# Altium PCB MainBoard V1.PcbDoc
Units mil, origin at the board's own origin, x right, y up, seen from the top; angles counter-clockwise.
Board outline 3897.64 x 4688.47 mil, 4 copper layers (Top Layer, 5V, GND, Bottom Layer), stack 62.449 mil thick; 35 components, 58 nets, 460 pads, 144 vias.
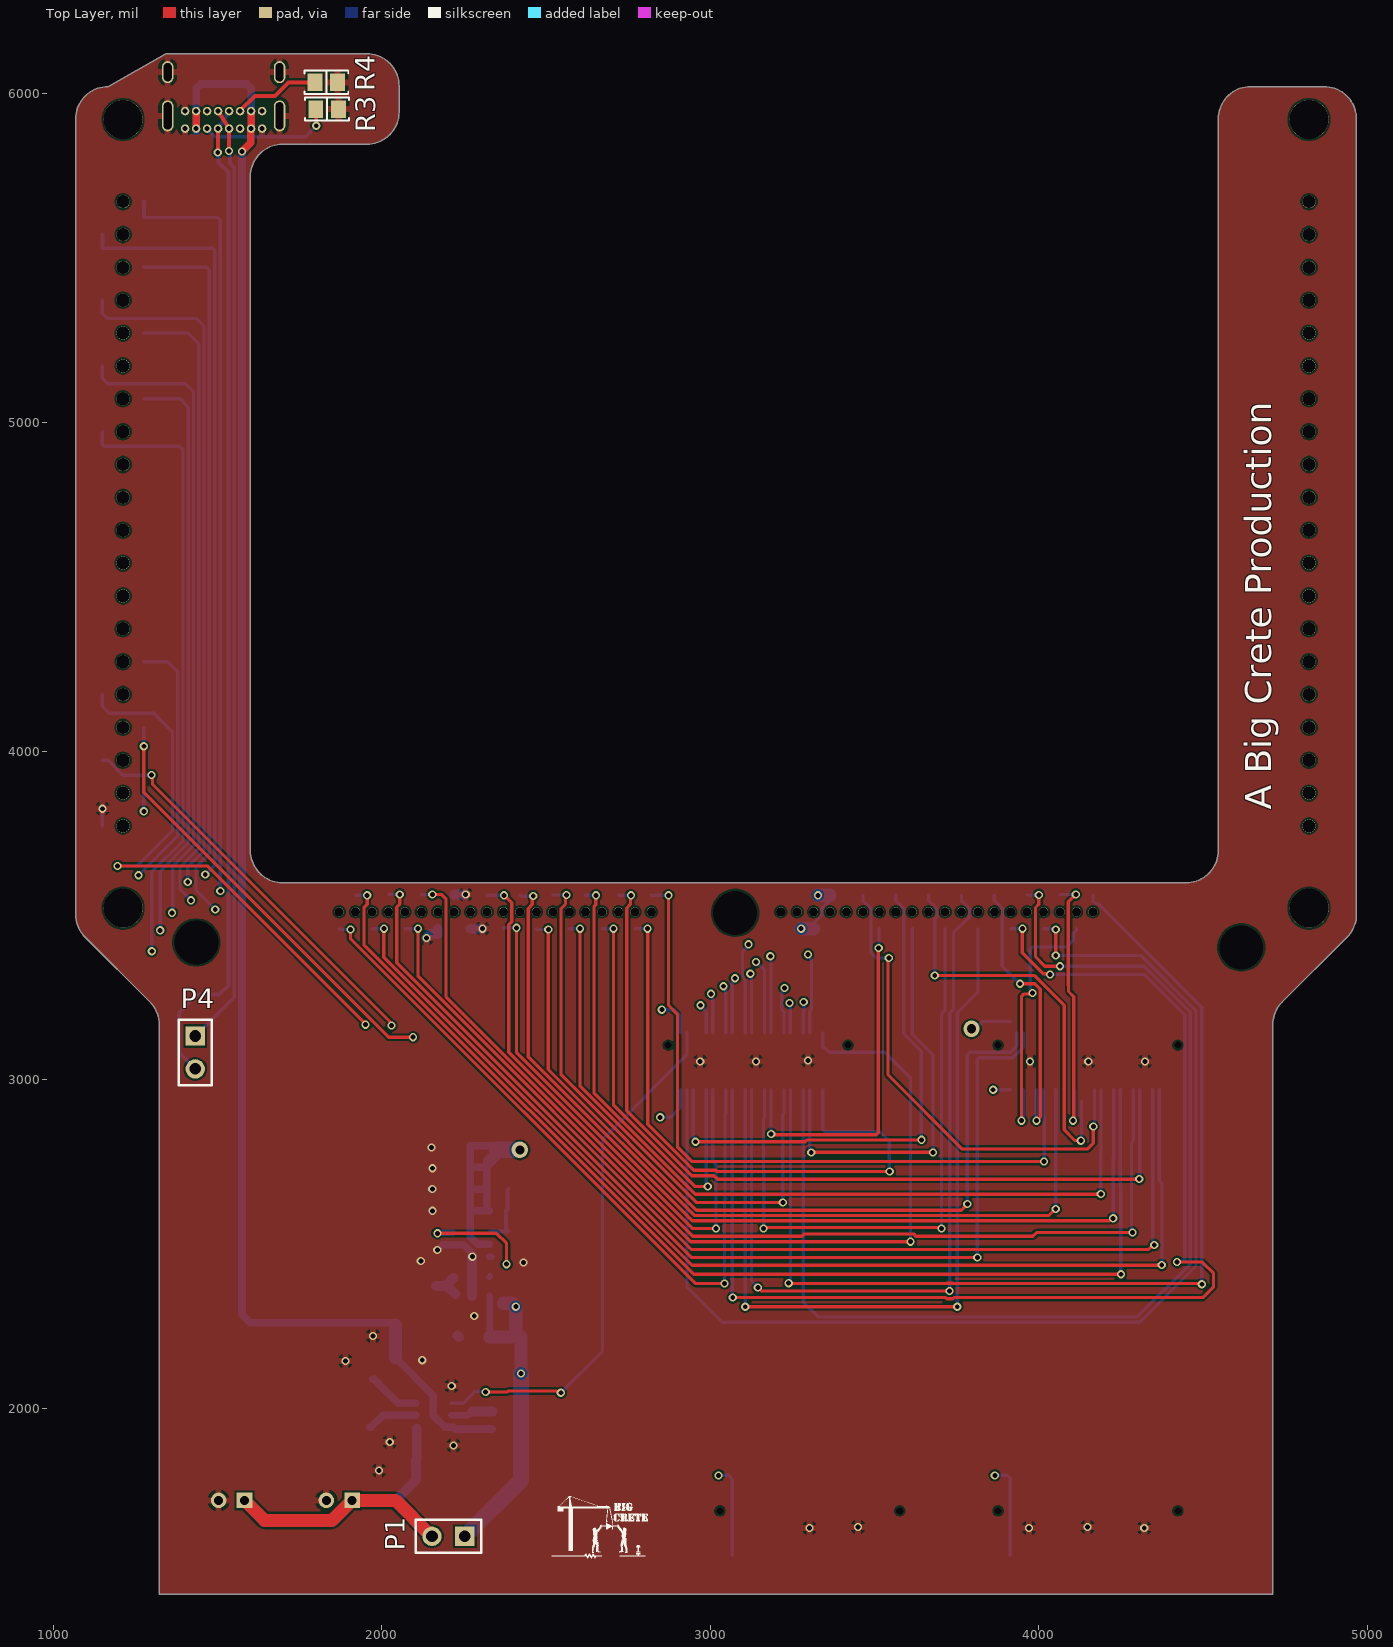
[diagram p0: Top Layer view]
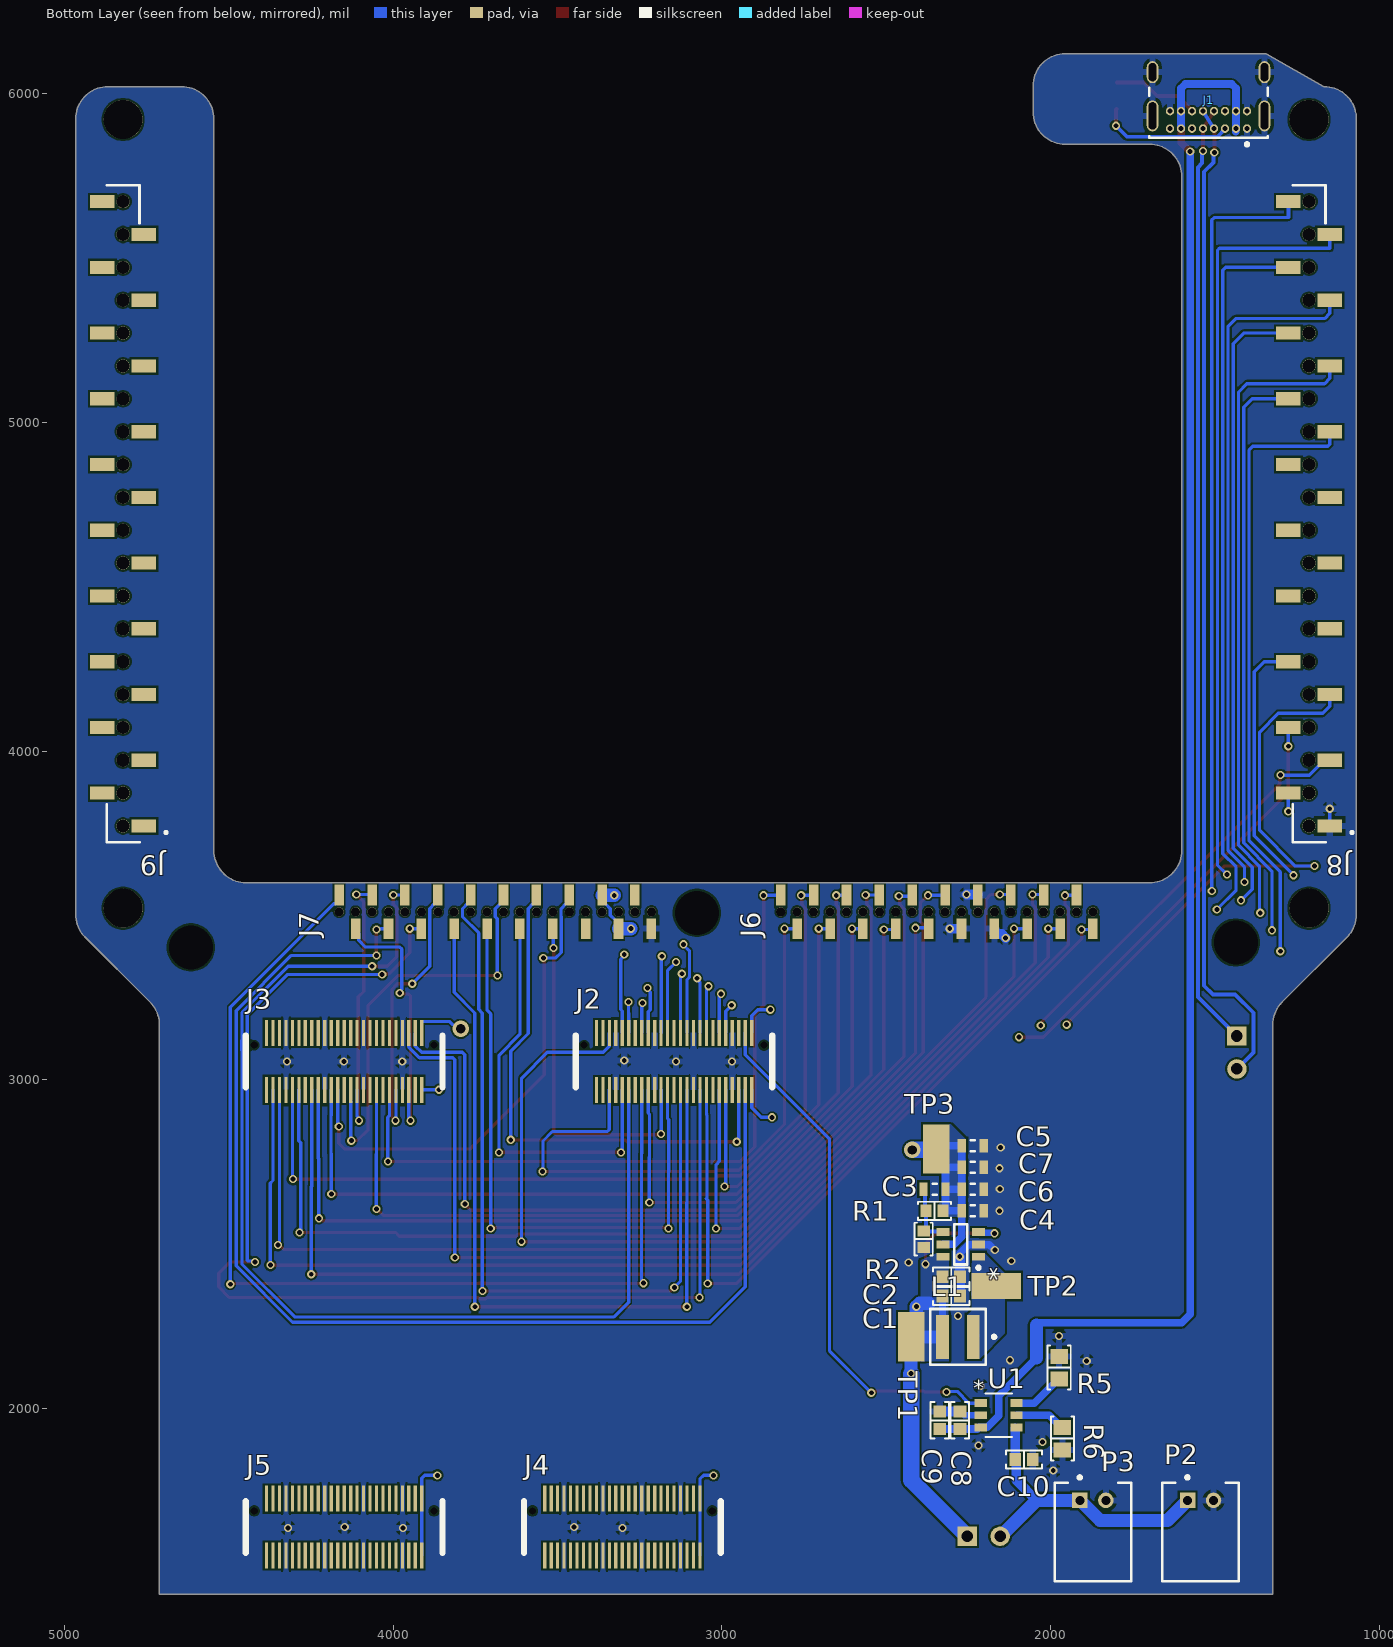
[diagram p1: Bottom Layer view, seen from below]
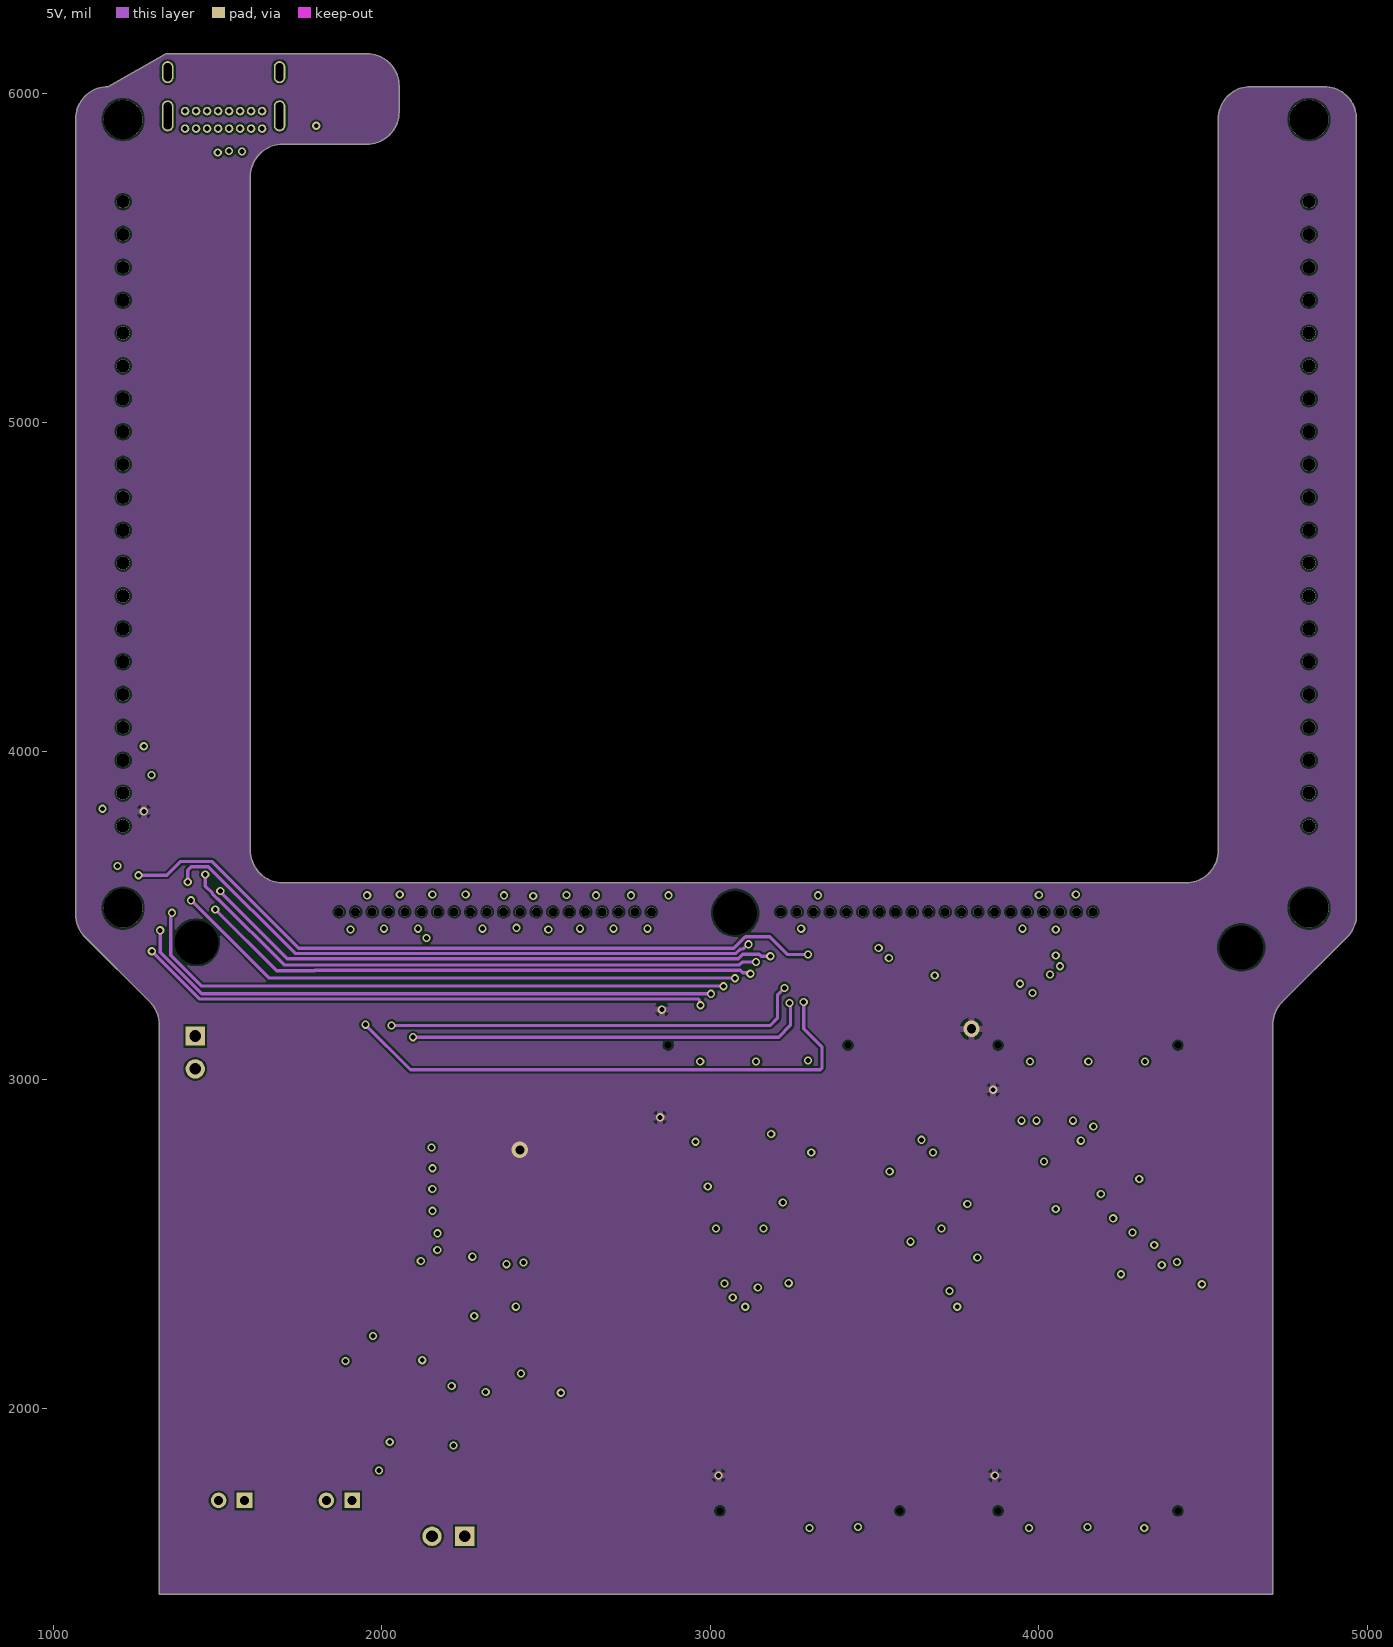
[diagram p2: 5V]
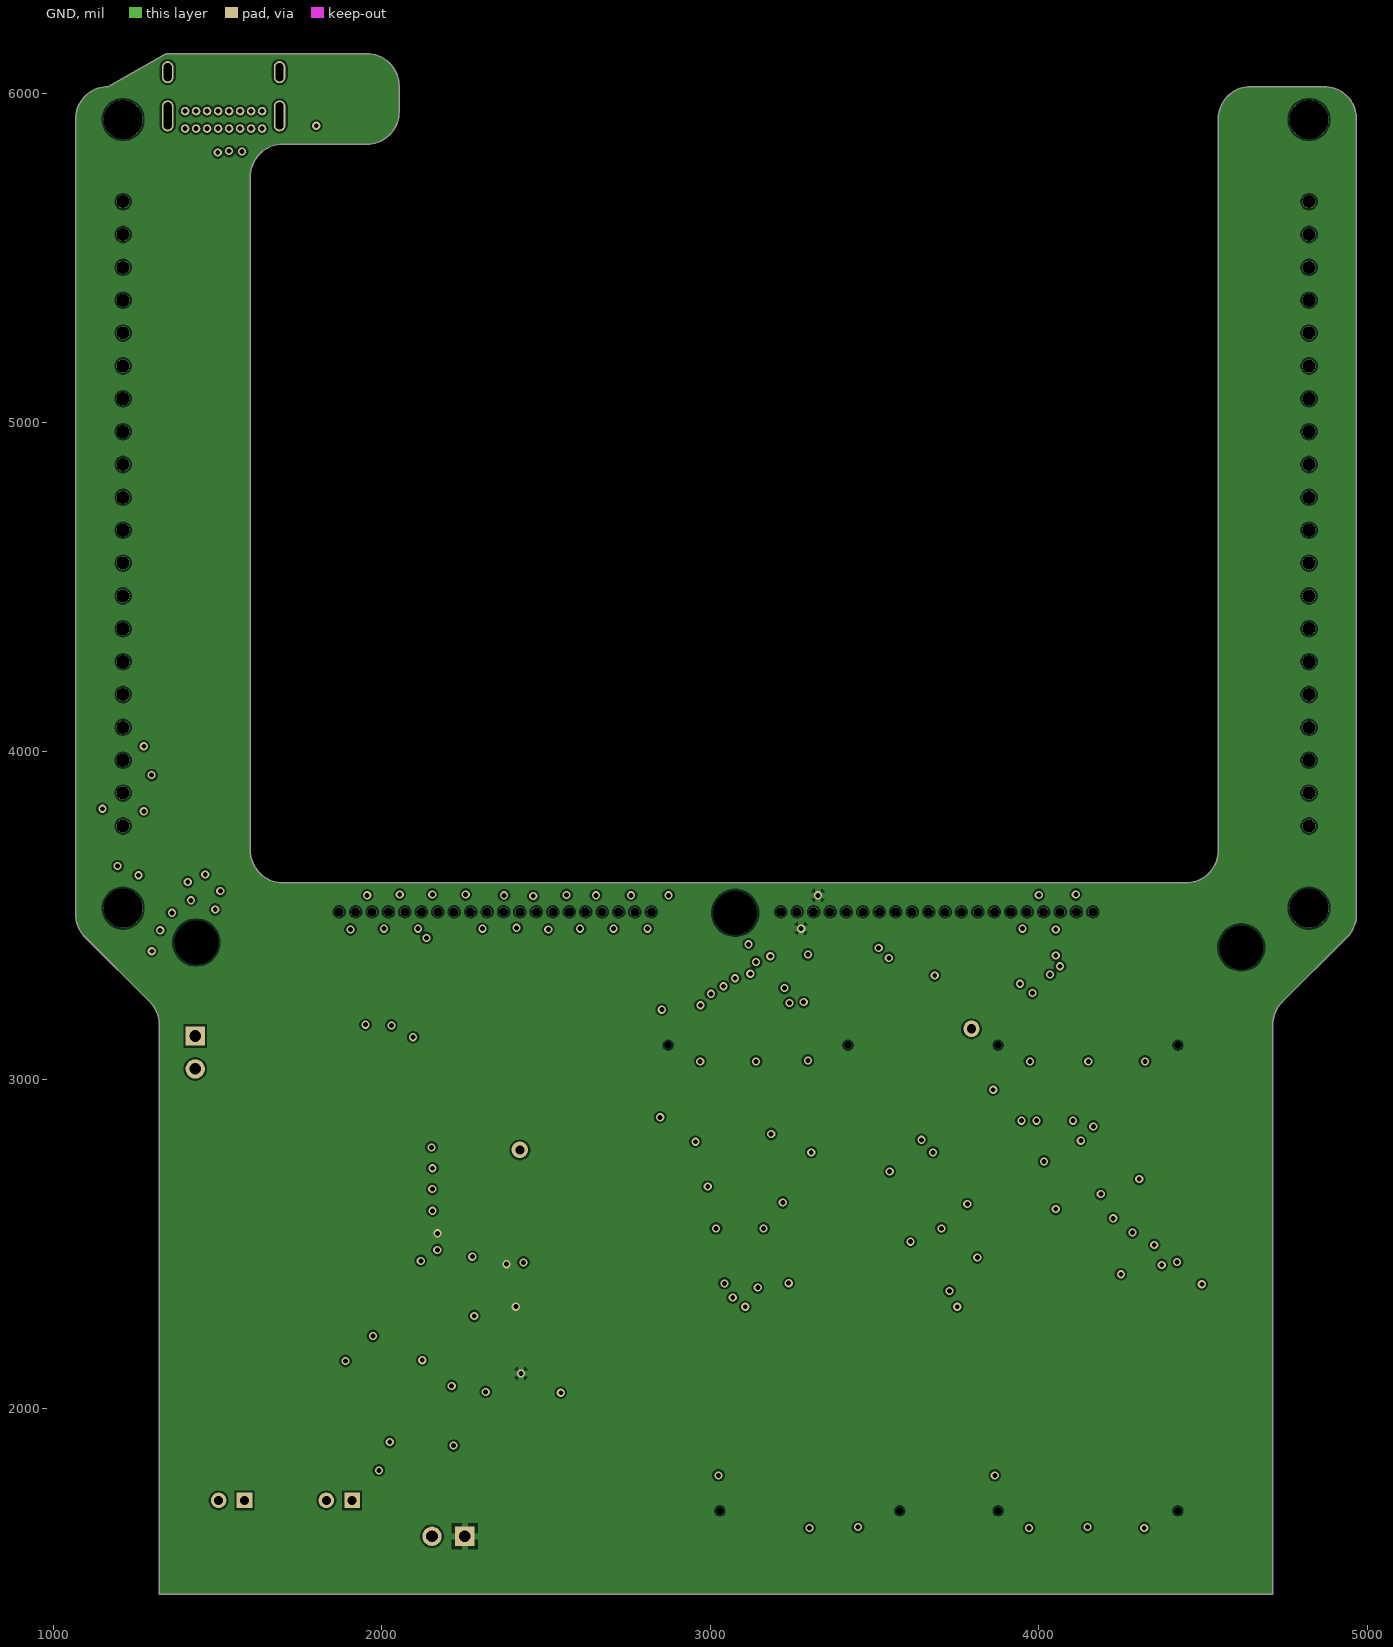
[diagram p3: GND]
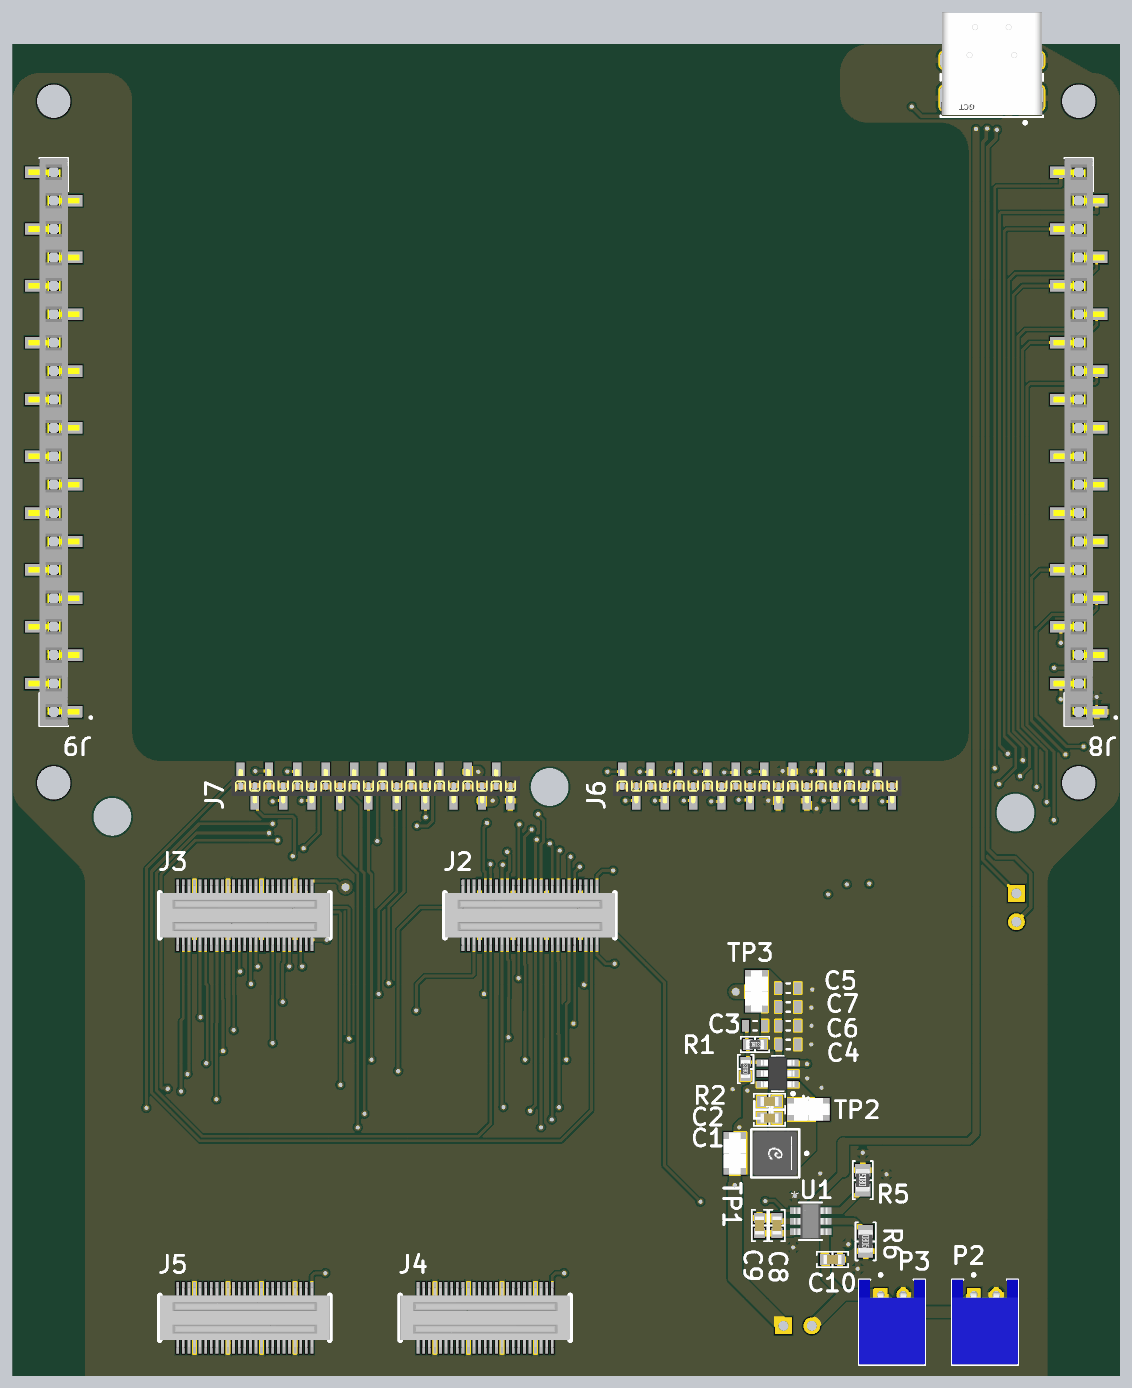
[diagram p4: 3D render of the assembled board from below, using the file's embedded part models]

## Layer stack, top to bottom
Top Solder: solder mask 0.1, Solder Resist, Dk 3.5
Top Layer: signal copper 1.378
Dielectric 2: prepreg 8.2835, PP-006, Dk 4.1
5V: signal copper 0.5984
Dielectric 1: dielectric 41.9291, FR-4, Dk 4.8
GND: signal copper 0.5984
Dielectric 3: prepreg 8.2835, PP-006, Dk 4.1
Bottom Layer: signal copper 1.378
Bottom Solder: solder mask 0.1, Solder Resist, Dk 3.5

## Board outline
1323.72,3166.44 ccw(c1225.3,3166.44) 1294.9,3236.04 1097.53,3433.41 cw(c1167.13,3503.01) 1068.7,3503 1068.7,5923.59 cw(c1167.13,5923.59) 1167.13,6022.01 1344.29,6122.3 1954.53,6122.3 cw(c1954.53,6023.87) 2052.95,6023.87 2052.95,5945.13 cw(c1954.53,5945.13) 1954.53,5846.71 1698.62,5846.71 ccw(c1698.62,5748.28) 1600.2,5748.28 1600.2,3697.61 ccw(c1698.62,3697.61) 1698.62,3599.18 4447.47,3599.18 ccw(c4447.47,3697.61) 4545.9,3697.61 4545.9,5923.59 cw(c4644.32,5923.59) 4644.32,6022.01 4867.91,6022.01 cw(c4867.91,5923.59) 4966.34,5923.59 4966.34,3503 cw(c4867.91,3503.01) 4937.51,3433.41 4740.14,3236.04 ccw(c4809.74,3166.44) 4711.32,3166.44 4711.32,1433.83 1323.72,1433.83

## Design rules (kind name [scope] priority, off if disabled: settings)
Clearance [All] p1: gap=6 ignorepadtopadclearanceinfootprint=TRUE
PolygonConnect HighCurrentConnect [WithinRoom('HighCurrent')] p1: connectstyle=Direct reliefconductorwidth=10 reliefentries=4 polygonreliefangle="90 Angle" airgapwidth=10
PolygonConnect [All] p2: connectstyle=Relief reliefconductorwidth=20 reliefentries=4 polygonreliefangle="90 Angle" airgapwidth=10
RoomDefinition HighCurrent [False vs False] p1: confinementstyle=ConfineIn formatcopy=TRUE lockcomponents=FALSE outline 2529.84,2880.36 2072.64,2880.36 2072.64,2136.14 2529.84,2136.14
RoutingVias [All] p1: holewidth=15 width=25 viastyle="Through Hole" minholewidth=10 minwidth=20 maxholewidth=50 maxwidth=50
SolderMaskExpansion [All] p1: expansion=4 istentingtop=FALSE
Width [All] p1: maxlimit=50 minlimit=10 preferedwidth=10
30 further rules are at their usual default settings.

## Classes and differential pairs
component class BatteryManagement: C8 C9 C10 R5 R6 U1
net class D[7..0]: D0 D1 D2 D3 D4 D5 D6 D7
component class Connectors: J1 J2 J3 J4 J5 J6 J7 J8 J9 P1 P2 P3 P4 R3 R4
component class 5VBoost: * C1 C2 C3 C4 C5 C6 C7 L1 R1 R2 TP1 TP2 TP3

## Components (designator, comment, footprint, x,y, rotation, side; value= is the part's Value field where it differs from the comment)
* "TLV61070ADBVR" SOT95P280X145-6N 2273.14,2498.66 r0 bottom
C1 "10 µF" "CAP 0603_1608" 2301.88,2341.88 r180 bottom
C2 "10 µF" "CAP 0603_1608" 2301.88,2400.3 r180 bottom
C3 "C1608X5R1A226M080AC" CAPC1608X100X20ML10 2352.68,2667 r180 bottom
C4 "C1608X5R1A226M080AC" CAPC1608X100X20ML10 2235.84,2600.96 r0 bottom
C5 "C1608X5R1A226M080AC" CAPC1608X100X20ML10 2235.84,2799.08 r0 bottom
C6 "C1608X5R1A226M080AC" CAPC1608X100X20ML10 2235.84,2667 r0 bottom
C7 "C1608X5R1A226M080AC" CAPC1608X100X20ML10 2235.84,2733.04 r0 bottom
C8 "1 µF" "CAP 0603_1608" 2275.84,1963.42 r270 bottom
C9 "10 µF" "CAP 0603_1608" 2336.8,1963.42 r270 bottom
C10 "1 µF" "CAP 0603_1608" 2080.26,1844.04 r0 bottom
J1 "USB4085-GF-A" FP-USB4085-GF-A-MFG 1518.92,6052.82 r0 bottom
J2 "Alchitry Male" ALCHITRYMALE 3145.34,3055.73 r0 bottom locked
J3 "Alchitry Male" ALCHITRYMALE 4149.28,3055.73 r0 bottom locked
J4 "Alchitry Male" ALCHITRYMALE 3302.82,1638.41 r0 bottom locked
J5 "Alchitry Male" ALCHITRYMALE 4149.28,1638.41 r0 bottom locked
J6 "20pos passthru header 0.05\" pitch" M50-3132045 1870.67,3510.6 r0 bottom
J7 "20pos passthru header 0.05\" pitch" M50-3132045 3214.37,3510.6 r0 bottom
J8 "SSM-120-L-SV-BE" SAMTEC_SSM-120-L-SV-BE 1213.02,4722.01 r270 bottom
J9 "SSM-120-L-SV-BE" SAMTEC_SSM-120-L-SV-BE 4822.02,4722.01 r270 bottom
L1 "XGL4030-222MEC" FP-XGL4030-MFG 2281.55,2217.42 r0 bottom
P1 "Header 2" HDR1X2 2252.98,1610.36 r180 top
P2 "S2B-PH-K-S(LF)(SN)" JST-S2B-PH-K-S_V 1543.05,1623.12 r180 bottom
P3 "S2B-PH-K-S(LF)(SN)" JST-S2B-PH-K-S_V 1870.71,1623.12 r180 bottom
P4 "Header 2" HDR1X2 1432.56,3132.76 r270 top
R1 "220 kOhms" "RES 0603_1608" 2352.68,2600.96 r180 bottom
R2 "24.3 kOhms" "RES 0603_1608" 2385.7,2514.6 r90 bottom
R3 "5.1 kOhms" "RES 0805_2012" 1833.88,5953.76 r0 top
R4 "5.1 kOhms" "RES 0805_2012" 1831.34,6035.04 r0 top
R5 "110 kOhms" "RES 0805_2012" 1973.58,2123.44 r90 bottom
R6 "15 kOhms" "RES 0805_2012" 1963.42,1907.54 r270 bottom
TP1 "5019" KSTN-5019_V 2423.8,2217.42 r90 bottom
TP2 "5019" KSTN-5019_V 2164.72,2372.36 r180 bottom
TP3 "5019" KSTN-5019_V 2347.59,2788.92 r90 bottom
U1 "RT9526AGE" SOT-23-6_RIT 2157.37,1978.66 r180 bottom

## Footprints (in the part's own frame and the unit in brackets; to place one, negate y for a bottom-side part, rotate by r counter-clockwise, add the part's x,y. Pads: shape width x height; smd on the part's side, far side on the other; paste and mask are expansions set on the pad)
ALCHITRYMALE [mm]
  rect 0.25x2 smd: 1(-6,2.2) 2(-5.5,2.2) 3(-5,2.2) 4(-4.5,2.2) 5(-4,2.2) 6(-3.5,2.2) 7(-3,2.2) 8(-2.5,2.2) 9(-2,2.2) 10(-1.5,2.2) 11(-1,2.2) 12(-0.5,2.2) 13(0,2.2) 14(0.5,2.2) 15(1,2.2) 16(1.5,2.2) 17(2,2.2) 18(2.5,2.2) 19(3,2.2) 20(3.5,2.2) 21(4,2.2) 22(4.5,2.2) 23(5,2.2) 24(5.5,2.2) 25(6,2.2) 26(6,-2.2) 27(5.5,-2.2) 28(5,-2.2) 29(4.5,-2.2) 30(4,-2.2) 31(3.5,-2.2) 32(3,-2.2) 33(2.5,-2.2) 34(2,-2.2) 35(1.5,-2.2) 36(1,-2.2) 37(0.5,-2.2) 38(0,-2.2) 39(-0.5,-2.2) 40(-1,-2.2) 41(-1.5,-2.2) 42(-2,-2.2) 43(-2.5,-2.2) 44(-3,-2.2) 45(-3.5,-2.2) 46(-4,-2.2) 47(-4.5,-2.2) 48(-5,-2.2) 49(-5.5,-2.2) 50(-6,-2.2)
  oval 0.55x0 hole 0.55 unplated: 14(-6.95,-1.25) 14(6.95,-1.25)
  silkscreen extent -7.6,-2 7.6,2, body extent -7.6,-2.7 7.6,2.7, height 4.4
"CAP 0603_1608" [mm] "Chip Capacitor, 2-Leads, Body 1.60x0.80mm, IPC Medium Density"
  rect 0.9x1 smd: 1(-0.675,0) 2(0.675,0)
  silkscreen extent -1.4,-0.7 1.4,0.7, body extent -0.8,-0.41 0.8,0.41, height 0.82
CAPC1608X100X20ML10 [mm] "Chip Capacitor, 2-Leads, Body 1.70x0.90mm, IPC Low Density"
  rect 0.65x1.05 smd: 1(-0.85,0) 2(0.85,0)
  silkscreen extent -0.15,-0.43 0.15,0.43, body extent -0.85,-0.45 0.85,0.45, height 1
FP-USB4085-GF-A-MFG [mm]
  rrect100% 0.9x2.4 hole 2.1 slot 0.6 at 0 deg paste-2539.97 mask+0: 1(-4.325,3.045) 2(4.325,3.045)
  rrect100% 0.9x1.7 hole 1.4 slot 0.6 at 0 deg paste-2539.97 mask+0: 3(-4.325,-0.335) 4(4.325,-0.335)
  round 0.65 hole 0.4 paste-2539.97 mask+0: A1(-2.975,4.025) A4(-2.125,4.025) A5(-1.275,4.025) A6(-0.425,4.025) A7(0.425,4.025) A8(1.275,4.025) A9(2.125,4.025) A12(2.975,4.025) B1(2.975,2.675) B4(2.125,2.675) B5(1.275,2.675) B6(0.425,2.675) B7(-0.425,2.675) B8(-1.275,2.675) B9(-2.125,2.675) B12(-2.975,2.675)
  silkscreen extent -4.57,0.89 4.57,5.37, body extent -4.51,-4.6 4.51,4.57, height 3.46
FP-XGL4030-MFG [mm]
  rect 0.98x3.4 smd paste+0 mask+0: 1(-1.185,0) 2(1.185,0)
  silkscreen extent -2.92,-2.15 2.15,2.15, body extent -2,-2 2,2, height 3.1
HDR1X2 [mm] "Connector; Header; 2 Position"
  rect 1.5x1.5 hole 0.9: 1(0,0)
  round 1.5 hole 0.9: 2(2.54,0)
  silkscreen extent -1.27,-1.27 3.81,1.27
JST-S2B-PH-K-S_V [mm] "THD, 2-Leads, Body 7.6x5.9mm, Pitch 2mm"
  rect 1.2x1.2 hole 0.7: 1(-1,2.45)
  round 1.2 hole 0.7: 2(1,2.45)
  silkscreen extent -2.95,-3.8 2.95,4.35, body extent -2.95,-3.8 2.95,3.8, height 4.8
KSTN-5019_V [mm] "Test Point, 1-Leads, Body 3.81x2.03mm"
  rect 3.8x2.03 smd: 1(0,0)
  body extent -1.91,-1.02 1.9,1.02, height 2.29
M50-3132045 [mm] "M50-3132045 20pos header passthru"
  rect 0.74x1.6 smd: 1(0,1.3) 1(0,1.3) 2(1.27,-1.3) 2(1.27,-1.3) 3(2.54,1.3) 4(3.81,-1.3) 5(5.08,1.3) 6(6.35,-1.3) 7(7.62,1.3) 8(8.89,-1.3) 9(10.16,1.3) 10(11.43,-1.3) 11(12.7,1.3) 12(13.97,-1.3) 13(15.24,1.3) 14(16.51,-1.3) 15(17.78,1.3) 16(19.05,-1.3) 17(20.32,1.3) 18(21.59,-1.3) 19(22.86,1.3) 20(24.13,-1.3)
  round 0.7 hole 0.7: ""(0,0) ""(0,0) ""(1.27,0) ""(1.27,0) ""(2.54,0) ""(3.81,0) ""(5.08,0) ""(6.35,0) ""(7.62,0) ""(8.89,0) ""(10.16,0) ""(11.43,0) ""(12.7,0) ""(13.97,0) ""(15.24,0) ""(16.51,0) ""(17.78,0) ""(19.05,0) ""(20.32,0) ""(21.59,0) ""(22.86,0) ""(24.13,0)
  body extent -0.85,-1.55 24.95,1.55, height 2
"RES 0603_1608" [mm] "Chip Resistor, 2-Leads, Body 1.60x0.80mm, IPC Medium Density"
  rect 0.85x0.95 smd: 1(-0.65,0) 2(0.65,0)
  silkscreen extent -1.27,-0.7 1.27,0.7, body extent -0.8,-0.4 0.8,0.4, height 0.45
"RES 0805_2012" [mm] "Chip Resistor, 2-Leads, Body 2.00x1.25mm, IPC Medium Density"
  rect 1.15x1.35 smd: 1(-0.875,0) 2(0.875,0)
  silkscreen extent -1.7,-0.9 1.7,0.9, body extent -1,-0.62 1,0.63, height 0.6
SAMTEC_SSM-120-L-SV-BE [mm]
  rect 1.02x1.905 smd: 01(24.13,1.603) 02(21.59,-1.603) 03(19.05,1.603) 04(16.51,-1.603) 05(13.97,1.603) 06(11.43,-1.603) 07(8.89,1.603) 08(6.35,-1.603) 09(3.81,1.603) 10(1.27,-1.603) 11(-1.27,1.603) 12(-3.81,-1.603) 13(-6.35,1.603) 14(-8.89,-1.603) 15(-11.43,1.603) 16(-13.97,-1.603) 17(-16.51,1.603) 18(-19.05,-1.603) 19(-21.59,1.603) 20(-24.13,-1.603)
  round 1.02 hole 1.02 unplated: ""(-24.13,0) ""(-21.59,0) ""(-19.05,0) ""(-16.51,0) ""(-13.97,0) ""(-11.43,0) ""(-8.89,0) ""(-6.35,0) ""(-3.81,0) ""(-1.27,0) ""(1.27,0) ""(3.81,0) ""(6.35,0) ""(8.89,0) ""(11.43,0) ""(13.97,0) ""(16.51,0) ""(19.05,0) ""(21.59,0) ""(24.13,0)